# Altium PCB PI_CAN_Interface_v3.PcbDoc (continued)
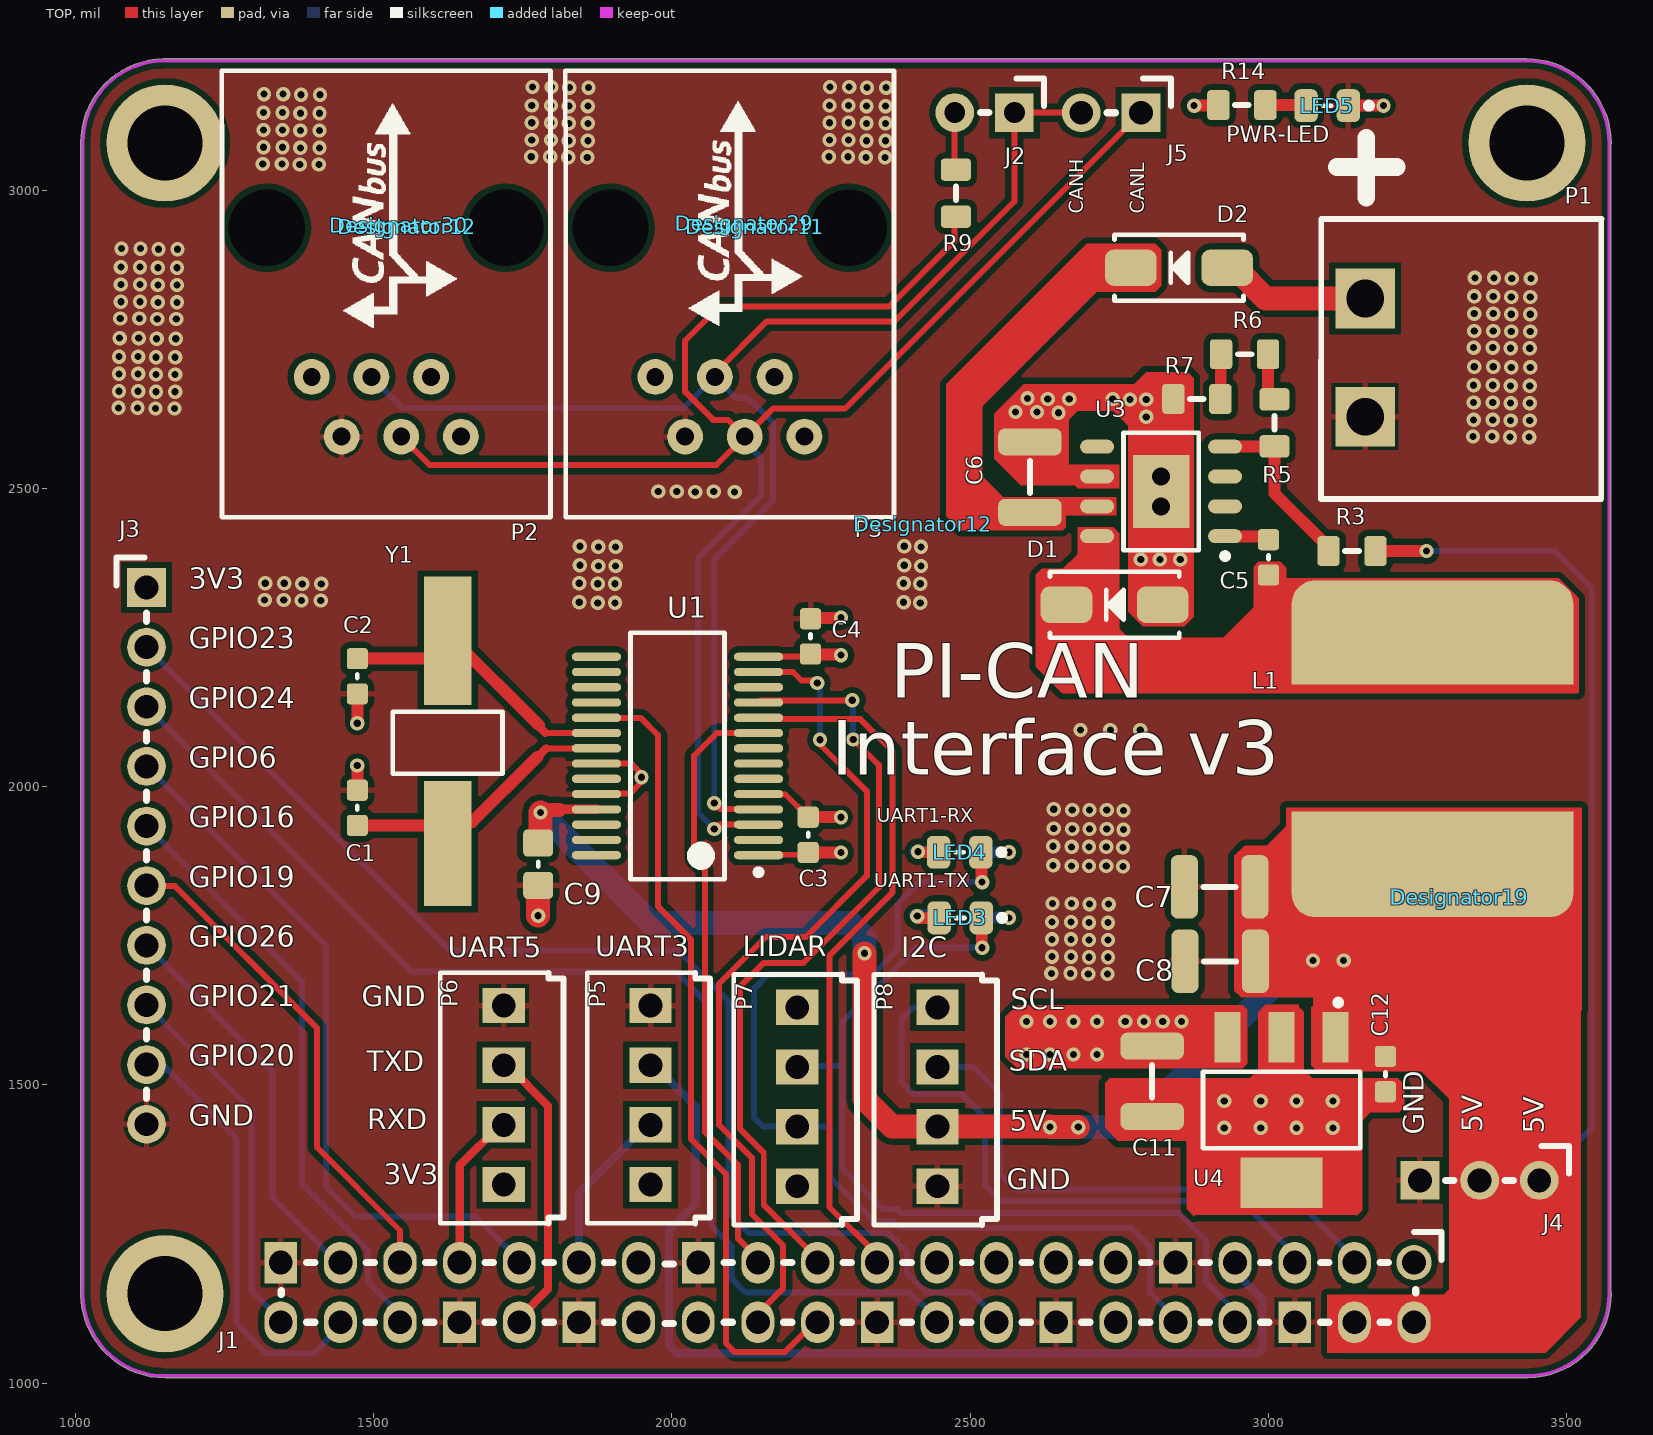
[diagram p0: TOP view]
## Footprints (in the part's own frame and the unit in brackets; to place one, negate y for a bottom-side part, rotate by r counter-clockwise, add the part's x,y. Pads: shape width x height; smd on the part's side, far side on the other; paste and mask are expansions set on the pad)
CANbus_LOGO_bottom_big [mil]
CANbus_LOGO_top [mil]
  silkscreen extent -172,-97 204,92
CER_0603 [mm]
  rrect30% 0.9x0.9 smd: 1(0,0.75) 2(0,-0.75)
  silkscreen extent 0,-0.08 0,0.08, body extent -0.4,-0.8 0.4,0.8, height 0.79
CER_0805 [mm]
  rrect30% 1.27x1.15 smd: 1(0,0.9) 2(0,-0.9)
  silkscreen extent 0,-0.1 0,0.1, body extent -0.62,-1 0.63,1, height 0.6
CER_1210 [mm]
  rrect50% 2.7x1.15 smd: 1(0.003,1.474) 2(0.003,-1.526)
  silkscreen extent 0,-0.71 0,0.66, body extent -1.25,-1.6 1.25,1.6, height 1
DO214AC [mm] "Diode,Molded Body;5.105mm L X 2.665mm W X 2.29mm H"
  rrect50% 2.2x1.55 smd: 1(-2.05,0) 2(2.05,0)
  silkscreen extent -2.75,-1.4 2.75,1.4, body extent -2.75,-1.4 2.75,1.4, height 2.6
HM1X2 [mil] "Single row pin header 1x2, 2.54mm"
  rect 65x65 hole 35: 1(-50,0)
  round 65 hole 35: 2(50,0)
  silkscreen extent -100,-57 7,0, body extent -100,-57 100,57, height 335
HM1x2 [mil] "Single row pin header 1x2, 2.54mm"
  rect 65x65 hole 40: 1(-50,0)
  round 65 hole 40: 2(50,0)
  silkscreen extent -100,-57 7,0, body extent -100,-57 100,57, height 335
HM1X3 [mil] "Contact Mating Length-6.00mm"
  round 65 hole 40: 1(-100,0) 2(0,0)
  rect 65x65 hole 40: 3(100,0)
  silkscreen extent -150,-57 57,0, body extent -150,-57 150,57, height 335
HM1X10 [mil]
  rect 65x65 hole 40: 1(-450,0)
  round 65 hole 40: 2(-350,0) 3(-250,0) 4(-150,0) 5(-50,0) 6(50,0) 7(150,0) 8(250,0) 9(350,0) 10(450,0)
  silkscreen extent -500,-50 407,0, body extent -500,-50 500,50, height 336
HM2X20 [mil] "Double row pin header 2x20, 2.54mm"
  round 59.06 hole 40: 1(-50,950)
  oval 70x55 hole 40: 2(50,950) 3(-50,850) 4(50,850) 5(-50,750) 7(-50,650) 8(50,650) 10(50,550) 11(-50,450) 12(50,450) 13(-50,350) 15(-50,250) 16(50,250) 17(-50,150) 18(50,150) 19(-50,50) 21(-50,-50) 22(50,-50) 23(-50,-150) 24(50,-150) 26(50,-250) 27(-50,-350) 28(50,-350) 29(-50,-450) 31(-50,-550) 32(50,-550) 33(-50,-650) 35(-50,-750) 36(50,-750) 37(-50,-850) 38(50,-850) 40(50,-950)
  rect 70x55 hole 40: 6(50,750) 9(-50,550) 14(50,350) 20(50,50) 25(-50,-250) 30(50,-450) 34(50,-650) 39(-50,-950)
  silkscreen extent -101,-949 52,996, body extent -99,-1007 97,1005, height 84
HSOP-8 [mm] "SOIC, 8-Leads, Body 4.90x3.90mm, Pitch 1.27mm, Thermal Pad 3.10x2.40mm, IPC Medium Density"
  oval 1.45x0.6 smd: 1(-2.725,1.905) 2(-2.725,0.635) 3(-2.725,-0.635) 4(-2.725,-1.905) 5(2.725,-1.905) 6(2.725,-0.635) 7(2.725,0.635) 8(2.725,1.905)
  rect 2.4x3.1 all layers, no hole: 9(0,0)
  silkscreen extent -2.85,-2.5 1.6,2.88, body extent -3.02,-2.36 3.01,2.34, height 1.7
INDUCTOR_SS1260-103MLD [mil]
  rect 75x472.44 smd: 1(144,15) 2(-144,15)
  rrect50% 157.48x472.44 smd: 1(202,15) 2(-205,15)
  body extent -247,-231 245,261, height 315
LED_GREEN_0805 [mm] "Diode GREEN;2.00mm L X 1.25mm W X 1.20mm H"
  rrect50% 1x1.4 smd: 1(-0.9,0) 2(0.9,0)
  silkscreen extent -1.91,-0.13 0.18,0.13, body extent -1.01,-0.62 1.01,0.63, height 1.1
LED_RED_0805 [mm] "Diode 2.00mm L X 1.25mm W X 1.20mm H"
  rrect50% 1x1.4 smd: 1(-0.9,0) 2(0.9,0)
  silkscreen extent -1.91,-0.13 0.18,0.13, body extent -1.05,-0.67 1.05,0.68, height 0.9
MEP_LOGO_BIG [mil]
OSCILATOR [mil]
  rect 210x80 smd: 1(170,-2)
  rect 215x80 smd: 2(-170,-2)
  silkscreen extent -51,-94 53,90, body extent -251,-95 253,95, height 169
PWR_CON [mm]
  rect 2.54x2.54 hole 1.6: 1(0,0) 2(0,5.029)
  silkscreen extent -1.88,-3.51 10.06,8.42, body extent -2.01,-3.59 10,8.57, height 8.73
RESC2013X38N-0805-NOOVERLAY [mm] "Resistor,Chip;2.03mm L X 1.27mm W X 0.6mm H"
  rrect30% 1.27x0.95 smd: 1(0,1) 2(0,-1)
  silkscreen extent 0,-0.29 0,0.29, body extent -0.62,-1 0.63,1, height 0.5
RJ11-6N-B [mm] "RJ11 MODULAR JACK 6 POSITION, 1 PORT"
  round 1.524 hole 0.76: 1(7.19,3.76) 2(4.65,2.49) 3(7.19,1.22) 4(4.65,-0.05) 5(7.19,-1.32) 6(4.65,-2.59)
  round 0 hole 3.25: ""(-1.7,5.66) ""(-1.7,-4.5)
  silkscreen extent -8.38,-6.42 10.63,7.58, body extent -8.04,-5.95 10.16,7.35, height 11.5
RPI_PWD_bottom_big [mil]
"SILK - RECYCLE maxi" [mil]
  silkscreen extent -2,8 252,350
"Silk - ROHS" [mil]
  silkscreen extent -115,-133 169,116
SOT223 [mm] "SOT-223/SC-73; 4 Leads; Body 6.7 x 7.3 mm, inc. leads (LxW max)"
  rect 1.1x2.15 smd: 1(-2.3,-3.1) 2(0,-3.1) 3(2.3,-3.1)
  rect 3.5x2.15 smd: 4(0,3.1)
  silkscreen extent -3.35,-4.7 3.35,1.63, body extent -3.25,-3.6 3.25,3.4, height 1.7
SSOP-28 [mm]
  oval 2.1x0.35 smd: 1(-4.586,3.517) 2(-4.586,2.867) 3(-4.586,2.217) 4(-4.586,1.567) 5(-4.586,0.917) 6(-4.586,0.267) 7(-4.586,-0.383) 8(-4.586,-1.033) 9(-4.586,-1.683) 10(-4.586,-2.333) 11(-4.586,-2.983) 12(-4.586,-3.633) 13(-4.586,-4.283) 14(-4.586,-4.933) 15(2.314,-4.933) 16(2.314,-4.283) 17(2.314,-3.633) 18(2.314,-2.983) 19(2.314,-2.333) 20(2.314,-1.683) 21(2.314,-1.033) 22(2.314,-0.383) 23(2.314,0.267) 24(2.314,0.917) 25(2.314,1.567) 26(2.314,2.217) 27(2.314,2.867) 28(2.314,3.517)
  silkscreen extent -4.71,-5.96 0.86,4.54, body extent -4.97,-5.85 2.79,4.48, height 2.15
TANT_1210 [mm]
  rrect50% 2.7x1.15 smd: 1(0.003,1.474) 2(0.003,-1.526)
  silkscreen extent 0,-0.71 0,0.66, body extent -1.4,-1.83 1.4,1.83, height 1.92
"TE CONNECTIVITY_4PIN_MALE" [mm] "BLUE_4PIN_CONECTOR"
  rect 1.5x1.8 hole 1.016: 1(0,0) 2(2.54,0) 3(5.08,0) 4(7.62,0)
  silkscreen extent -1.65,-2.54 9.02,2.7, body extent -1.27,-2.5 8.89,2.5, height 11.43

## Part data
C1 C2: library part 00002200, "CAP CER 20p 0805", Capacitance=6pF
C3 C4 C5 C12: library part 06032105, "CAP CER 100n 10V X5R 10% 0603"
  C3 C4 C12: Capacitance=100n
  C5: Capacitance=0.01uF
C6: library part 00002225, "CAP CER 2.2u X7R 100V 20% 1210", Capacitance=10uF
C7 C8: library part 00002108, "CAP CER 100u X5R 6.3V 10% 1210", Capacitance=100uF
C9: library part 00002105, "CAP CER 100n 50V X7R 10% 0805", Capacitance=100nF
C11: library part 00001106, "CAP TANT 10u"
D1: library part B360B, "DIODE SCHOTTKY 60V 3A DO214AC", Current  Average Rectified=3A, Manufacturer="Vishay Semiconductor Diodes Division", Package Case="DO-214AC, SMA", Recommended Rating=Silver, Voltage  DC Reverse=60V, Voltage  Forward="550mV @ 3A", Assembly=SMD, Barcode=0100000007488, Category="Discrete Semiconductor Products", Datasheet URL=http://www.vishay.com/docs/88896/b330la.pdf, Diode Type=Schottky, Family=DIODE, Id=62, item_id=1025, Manufacturer Part Number=B340A, Part Type="Discrete Semiconductors", Speed="Fast Recovery =< 500ns, > 200mA (Io)"
D2: "DIODE SCHOTTKY 40V 3A DO214AC", Current  Average Rectified=3A, Manufacturer="Vishay Semiconductor Diodes Division", Package Case="DO-214AC, SMA", Recommended Rating=Silver, Voltage  DC Reverse=40V, Voltage  Forward="550mV @ 3A", Assembly=SMD, Barcode=0100000007488, Category="Discrete Semiconductor Products", Datasheet URL=http://www.vishay.com/docs/88896/b330la.pdf, Diode Type=Schottky, Family=DIODE, Id=62, item_id=1025, Manufacturer Part Number=SK34, Part Type="Discrete Semiconductors", Speed="Fast Recovery =< 500ns, > 200mA (Io)"
J2: library part 00000003
J4: library part HEADER_1x3
J5: library part HEADER_1x2
L1: library part IND_10uH, "FIXED IND 10uH 3A", Current Rating=3A, DC Resistance=45mOhm, Manufacturer=Coilcraft, Manufacturer Part Number=XAL7030-103MEB, Package Case=8x8mm, Tolerance=20%, Assembly=SMD, Category="Inductors, Coils, Chokes", Datasheet URL=http://www.mouser.com/ds/2/597/MSS7348-1076571.pdf, Family=INDUCTOR, Inductance=15uH, Part Type="Inductor, Transf, Filter, Ferrite", Product Page Mouser=https://eu.mouser.com/ProductDetail/Coilcraft/MSS7348-103MEB/?qs=sGAEpiMZZMsg%252by3WlYCkU%252bbmGPYv72aIHZue6QQJkp0%3d
LED3 LED4: library part "LED_GREEN 0805", "LED GREEN CLEAR 0805 SMD", Color=Green, Lens Color=Colorless, Manufacturer=Kingbright, Manufacturer Part Number=APT2012SGC, Package Case="0805 (2012 Metric)", Recommended Rating=Platinum, Voltage Forward=2.2V, Assembly=SMD, Barcode=2911010024338, Category=Optoelectronics, Datasheet URL=http://www.kingbrightusa.com/images/catalog/SPEC/APT2012SGC.pdf, Family=LED, Id=28, item_id=3342, Lens Transparency=Clear, Part Type=Optoelectronics, Wavelength=568nm
LED5: library part LED_RED_0805, "LED RED 0805", Color=Red, Manufacturer="BRIGHT LED ELECTRONICS", Manufacturer Part Number=BL-HUB35A-AV-TRB, Package Case="0805 (2012 Metric)", Recommended Rating=Platinum, Voltage Forward="2.0 V", Assembly=SMD, Barcode=2911010024321, Family=LED, Id=35, item_id=3341, Part Type=Optoelectronics
P1: library part 00000002
P2 P3: library part 00000001, Manufacturer Part Number=RJ-11
P5 P6 P7 P8: "BLUE_4PIN_CONECTOR", Manufacturer="TE CONNECTIVITY / AMP", Manufacturer Part Number 1=281695-3, Order Code 1=1205983, Price 1=Ł0.403, Supplier 1=uk.farnell.com
R3: library part 00005102, "RES SMD 51 kOhm 1/8W 0805", Power="0.125W, 1/8W", Assembly=SMD, Barcode=00005102, Resistance=10k
R5 R6 R7: library part 00009101, "RES SMD 9.1 kOhm 1/8W 0805", Power="0.125W, 1/8W", Assembly=SMD, Barcode=00009101
  R5: Resistance=220R
  R6: Resistance=820R
  R7: Resistance=2.2K
R9: library part 000001200, "RES SMD 120 Ohm 1/8W 0805", Resistance=120R
R12 R13 R14: library part 00001001, "RES SMD 1 kOhm 1/8W 0805", Power="0.125W, 1/8W", Assembly=SMD, Barcode=00009101, Resistance=1k
U4: library part 00000007, "IC REG LINEAR 5V 400MA SOT223-4", Datasheet Link=http://www.ti.com/lit/ds/symlink/lm2937.pdf, Manufacturer Part Number=LM2937-5
Y1: library part XtalSmd, "Crystal Oscillator", LatestRevisionDate=17-Jul-2002, LatestRevisionNote="Re-released for DXP Platform.", Order Code="Q16.000 MHz HC-49SM SMD", PackageReference=R38, Published=8-Jun-2000, Publisher="Altium Limited", Supplier=Comet.rs

## Free pads (board coordinates)
  round 196.85 hole 125.98: ""(1150,1150) ""(1150,3079.13) ""(3433.46,3079.13)

## Via types
v1: diameter 24, hole 12, TOP to BOT, tented both sides, 270 vias
v2: diameter 23.62, hole 11.81, TOP to BOT, 8 vias
v3: diameter 50, hole 30, TOP to BOT, 2 vias

## Nets (pads, with @x,y where several pads share a name; then routed paths per layer and width w, separated by ;. In a path a pad name is that pad's centre, name@x,y a point inside that pad or via, vN(x,y) a via of type N, cw(c..) or ccw(c..) an arc to the next point about the centre after c; other vN are vias at no path point)
CANH: J2.1 J5.2 P2.4 P3.4 U1.4 | length 2396.2
  TOP w10: v1(2070.87,1972.44) 2080.67,1962.64 2144.4,1962.64 U1.4 ; P3.4 2072.03,2693.03 2159,2780 2373,2780 2574,2981 J2.1 2574.08,3129.92 J5.2
  BOT w10: P2.4 1547.96,2635 2020.1,2635 P3.4 2107.29,2651.67 2127.85,2651.67 2169.61,2609.92 2169.61,2479.9 2070.87,2381.16 v1(2070.87,1972.44) ; J2.1 J2.1@2574.08,3129.92 ; J5.2@2684.78,3128.48 J5.2
CANL: J5.1 P2.3 P3.3 R9.1 U1.3 | length 3098.9
  TOP w10: P2.3 1593.59,2539.37 2074.47,2539.37 P3.3 ; v1(2070.87,1929.13) 2072.24,1929.13 2079.43,1936.32 U1.3 ; R9.1@2474,2955.63 2474,2915 2364,2805 2079,2805 2022,2748 2022,2662 2069,2615 2093.96,2615 P3.3 ; J5.1 2290.16,2633.86 2168.96,2633.86 P3.3
  BOT w10: v1(2070.87,1929.13) 2043.31,1956.69 2043.31,2381.89 2149.61,2488.19 2149.61,2550.86 2122.03,2578.44 P3.3 P3.3@2131.6,2596.5
GND: C1.1 C2.1 C3.1 C4.1 C6.1 C7.1 C8.1 C9.1 C11.2 C12.1 D1.2 J1.6 J1.9 J1.14 J1.20 J1.25 J1.30 J1.34 J1.39 J3.10 J4.3 LED5.1 P1.1 P2.5 P3.5 P5.4 P6.4 P7.4 P8.1 R7.1 U1.5 U1.22 U1.24 U3.6 U3.9 U4.2 U4.4 | length 587.1
  TOP w10: U1.24 1874.2,1988.23 1929.17,1988.23 1948.82,2007.87 1948.82,2021.7 1931.84,2038.68 U1.22 ; U1.5 2145.85,1986.78 2190.38,1986.78 C3.1
  TOP w20: C1.1 v1(1472.44,2035.43) ; v1(1472.44,2106.3) C2.1 ; C3.1 v1(2283.46,1948.82) ; C4.1 2233.49,2282.7 2282.7,2282.7 v1(2283.46,2283.46) ; LED5.1 v1(3192.91,3141.73)
  TOP w40: v1(1775.59,1783.46) C9.1
  other v1: 2926,1428 2987,1428 3047,1428 3108,1428 2926,1473 2987,1473 3047,1473 3108,1473 2698,1686 2730,1686 2636,1687 2668,1687 2699,1714 2731,1714 2637,1715 2669,1715 2699,1743 2731,1743 2637,1744 2669,1744 2699,1772 2731,1772 2637,1773 2669,1773 2700,1803 2732,1803 2638,1804 2670,1804 2756,1866 2670,1867 2699,1867 2728,1867 2639,1868 2756,1898 2670,1899 2699,1899 2728,1899 2639,1900 2757,1928 2671,1929 2700,1929 2729,1929 2640,1930 2757,1960 2671,1961 2700,1961 2729,1961 2640,1962 1948.82,2015.75 2685,2095 2735,2095 2785,2095 1875.51,2308.08 1904.51,2308.08 2416.32,2308.08 1844.51,2309.08 2388.32,2309.08 1379,2312 1411,2312 1317,2313 1349,2313 1380,2340 1412,2340 1875.51,2340.08 1904.51,2340.08 2416.32,2340.08 1318,2341 1350,2341 1844.51,2341.08 2388.32,2341.08 1876.51,2370.08 1905.51,2370.08 2417.32,2370.08 1845.51,2371.08 2389.32,2371.08 2786,2381 2818,2381 2852,2381 1876.51,2402.08 1905.51,2402.08 2417.32,2402.08 1845.51,2403.08 2389.32,2403.08 2039,2494 2105,2494 1977,2495 2008,2495 2070,2495 3405,2586 3437,2586 3343,2587 3375,2587 3406,2614 3438,2614 3344,2615 3376,2615 2795,2620 2648,2627 2576,2628 2612,2628 1134,2634 1166,2634 1072,2635 1104,2635 3406,2643 3438,2643 3344,2644 3376,2644 2768,2649 2795,2649 2630,2650 2666,2650 2739,2650 2596,2651 1135,2662 1167,2662 1073,2663 1105,2663 3406,2672 3438,2672 3344,2673 3376,2673 1135,2691 1167,2691 1073,2692 1105,2692 3407,2703 3439,2703 3345,2704 3377,2704 1135,2720 1167,2720 1073,2721 1105,2721 3406,2735 3438,2735 3344,2736 3376,2736 1136,2751 1168,2751 1074,2752 1106,2752 3407,2763 3439,2763 3345,2764 3377,2764 1137,2784 1169,2784 1075,2785 1107,2785 3407,2792 3439,2792 3345,2793 3377,2793 1138,2812 1170,2812 1076,2813 1108,2813 3407,2821 3439,2821 3345,2822 3377,2822 1138,2841 1170,2841 1076,2842 1108,2842 3408,2852 3440,2852 3346,2853 3378,2853 1138,2870 1170,2870 1076,2871 1108,2871 1139,2901 1171,2901 1077,2902 1109,2902 1376,3043 1408,3043 1314,3044 1346,3044 1826,3055 1858,3055 2325,3055 2357,3055 1764,3056 1796,3056 2263,3056 2295,3056 1377,3071 1409,3071 1315,3072 1347,3072 1827,3083 1859,3083 2326,3083 2358,3083 1765,3084 1797,3084 2264,3084 2296,3084 1377,3100 1409,3100 1315,3101 1347,3101 1827,3112 1859,3112 2326,3112 2358,3112 1765,3113 1797,3113 2264,3113 2296,3113 1377,3129 1409,3129 1315,3130 1347,3130 1827,3141 1859,3141 2326,3141 2358,3141 1765,3142 1797,3142 2264,3142 2296,3142 1378,3160 1410,3160 1316,3161 1348,3161 1828,3172 1860,3172 2327,3172 2359,3172 1766,3173 1798,3173 2265,3173 2297,3173
  other v3: 2820,2470 2820,2520
GPIO_06: J1.31 J3.4 | length 1208.7
  BOT w10: J3.4 1420,1733 1420,1328.83 1469.41,1279.41 1670.59,1279.41 1744,1206 J1.31
GPIO_16: J1.36 J3.5 | length 1008
  BOT w10: J3.5 1380,1673 1380,1333.6 1490,1223.6 1490,1170 1544,1116 J1.36
GPIO_19: J1.35 J3.6 | length 835.6
  TOP w10: J3.6 1119.5,1833.5 1166.5,1833.5 1405,1595 1405,1395 1544,1256 J1.35
GPIO_20: J1.38 J3.9 | length 733
  BOT w10: J3.9 1146,1534 1270,1410 1270,1100 1320,1050 1399.5,1050 1444,1094.5 J1.38
GPIO_21: J1.40 J3.8 | length 634.4
  BOT w10: J3.8@1109.83,1634 J3.8 1295,1458 1295,1155 1344,1106 J1.40
GPIO_23: J1.16 J3.2 | length 2126.9
  BOT w10: J3.2 1628,1725 2010,1725 2095,1640 2095,1285 2128,1252 2361.6,1252 2394,1219.6 2394,1184.4 2426.4,1152 2501.5,1152 2544,1109.5 J1.16
GPIO_24: J1.18 J3.3 | length 2005.6
  BOT w10: J3.3@1121,2134 J3.3 1563,1690 2006.17,1690 2065,1631.17 2065,1265 2100,1230 2100,1175 2123,1152 2398.11,1152 2418.11,1132 2421.5,1132 2444,1109.5 J1.18
GPIO_26: J1.37 J3.7 | length 676.4
  BOT w10: J3.7 1330,1523 1330,1311.32 1439.32,1202 J1.37 J1.37@1444,1209
I2C_SCL: J1.5 P8.4 | length 1033
  BOT w10: P8.4 2405,1630 2385,1610 2385,1503.83 2404.41,1484.41 2485.59,1484.41 2525,1445 2525,1331.72 2551.72,1305 2955,1305 3044,1216 J1.5
I2C_SDA: J1.3 P8.3 | length 918.3
  BOT w10: P8.3 2505,1530 2550,1485 2550,1350 2575,1325 3028.5,1325 3144,1209.5 J1.3
I\N\T\: J1.22 U1.19 | length 1370.5
  TOP w10: U1.19 1874.11,2114.81 1948.18,2114.81 1976.38,2086.61 1976.38,1799.21 2031.5,1744.09 2031.5,1409.45 2090.55,1350.39 2090.55,1066.93 2105.48,1052 2189.32,1052 2239.32,1102 J1.22 J1.22@2244,1110.33
NetC5_1: C5.1 D1.1 L1.1 U3.8
NetC5_2: C5.2 U3.1 | length 75
  TOP w20: U3.1 2927.98,2419.31 2995.22,2419.31 C5.2@3000,2414.53
NetC6_2: C6.2 D2.1 U3.7
NetD2_2: D2.2 P1.2 | length 252.7
  TOP w40: D2.2 2943.5,2870 2995.07,2818.43 P1.2
NetJ2_2: J2.2 R9.2 | length 95.6
  TOP w10: R9.2@2474,3034.37 J2.2
NetLED3_2: LED3.2 R12.1 | length 63.2
  TOP w20: v1@2412.31,1780 LED3.2
  BOT w20: v1@2407.37,1785 R12.1@2435,1785
  other v1: 2411.31,1783
NetLED4_2: LED4.2 R13.1 | length 64.4
  TOP w20: v1(2412.31,1891) 2411.31,1890 LED4.2
  BOT w20: v1@2407.31,1891 2431.94,1891 R13.1@2433.94,1889
NetLED5_2: LED5.2 R14.1 | length 68.6
  TOP w20: R14.1 3061.99,3142.73 LED5.2
NetR3_1: R3.1 R5.2 U3.4 | length 296.1
  TOP w20: U3.4 2927.6,2570.32 3009.68,2570.32 R5.2 3010,2491.93 3100.63,2401.3 R3.1
NetR5_1: R5.1 R6.2 | length 81.2
  TOP w20: R6.2 2999.37,2658.07 3008.07,2649.37 R5.1
NetR6_1: R6.1 R7.2 | length 75.5
  TOP w20: R7.2 2920,2650.63 2920,2724.37 R6.1
OSC1: C1.2 U1.21 Y1.1 | length 488.4
  TOP w10: Y1.1 Y1.1@1629.21,1904.8 ; 1790,2064 1790.28,2064.28 U1.21
  TOP w13.78: 1774.2,2049.8 1788.41,2064 1790,2064
  TOP w20: C1.2 1593.98,1935.04 Y1.1@1623.98,1905.04 ; Y1.1 Y1.1@1623.98,1905.04 ; 1774.2,2049.8 1665.41,1941 1653.98,1941 1623.98,1911 Y1.1@1623.98,1905.04
OSC2: C2.2 U1.20 Y1.2 | length 479.3
  TOP w10: Y1.2 Y1.2@1624.69,2244.09 ; 1788.09,2089.87 U1.20
  TOP w13.78: 1776,2101.95 1788.09,2089.87
  TOP w20: C2.2 1593.98,2214.57 Y1.2@1623.98,2244.57 ; Y1.2 1635.2,2244.8 1777,2103
RX3: J1.29 P5.2 | length 284.2
  BOT w13.78: J1.29 1844,1318.91 1958.09,1433 P5.2
RX5: J1.33 P6.2 | length 265.1
  TOP w13.78: J1.33 1644,1364.91 1712.09,1433 P6.2
RXD: J1.10 LED4.1 P7.2 | length 1712.4
  TOP w20: LED4.1 2519.23,1888.51 2519.23,1840.77 v1(2520,1840)
  BOT w10: v1(2520,1840) 2414.8,1840 2377.95,1803.15 2377.95,1726.24 2336.76,1685.04 2161.42,1685.04 2137.8,1661.42 2137.8,1444.88 2152.68,1430 P7.2 2258.98,1430 2265,1423.98 2265,1345 2338,1272 2369.89,1272 2381.89,1260 2770,1260 2801.5,1228.5 2801.5,1152 2844,1109.5 J1.10
SPI_DI: J1.19 U1.10 | length 1182.9
  TOP w10: U1.10 2146.97,2113.61 2214.34,2113.61 2214.72,2113.23 2237.09,2113.23 2237.47,2113.61 2314.33,2113.61 2314.71,2113.23 2315.9,2113.23 2370.08,2059.06 2370.08,1822.83 2263.78,1716.54 2263.78,1295.28 2344,1215.06 J1.19
SPI_DO: J1.21 U1.11 | length 1309.4
  TOP w10: U1.11 2148.83,2144.75 v1(2302.23,2144.75) ; J1.21 2244,1208.76 2153.86,1298.9 2153.86,1386.24 2114.17,1425.92 2114.17,1665.35 2153.54,1704.72 2220.47,1704.72 2347,1831.25 2347,2036 v1(2304,2079)
  BOT w10: v1(2302.23,2144.75) 2303.11,2143.86 2303.11,2079.89 v1(2304,2079)
SPI_nCS: J1.24 U1.13 | length 1416.5
  TOP w10: J1.24 2144,1116.44 2186.5,1158.94 2186.5,1230.82 2133.86,1283.46 2133.86,1377.95 2078.74,1433.07 2078.74,1669.29 2157.48,1748.03 2224.41,1748.03 2326.77,1850.39 2326.77,1992.13 2250.71,2068.19 2250.71,2076.06 v1(2248.03,2078.74) ; U1.13 2202.92,2192.23 2217.09,2178.05 2239.27,2178.05 v1(2243.65,2173.67)
  BOT w10: v1(2243.65,2173.67) 2248.03,2169.29 v1(2248.03,2078.74)
SPI_SCK: J1.23 U1.9 | length 1018.1
  TOP w10: J1.23 2144,1209.5 2110.55,1242.95 2110.55,1365.83 2055.12,1421.26 2055.12,1860.24 2037,1878.35 2037,2052 2074.87,2089.87 U1.9
TX3: J1.7 P5.3 | length 1690.2
  BOT w13.78: P5.3 1969.91,1533 2040,1462.91 2040,1301 1995,1256 1995,1063.07 2008.07,1050 2981.93,1050 2990,1058.07 2990,1140 2944,1186 J1.7
TX5: J1.32 P6.3 | length 485
  TOP w13.78: P6.3 1723.91,1533 1792,1464.91 1792,1157.5 1744,1109.5 J1.32
TXD: J1.8 LED3.1 P7.3 | length 1490.1
  TOP w20: LED3.1 2519.37,1779.37 2519.37,1730.63 v1(2520,1730)
  BOT w10: P7.3@2220,1520 P7.3 2211.5,1531.5 2285,1531.5 ; v1(2520,1730) 2410,1730 2285,1605 2285,1531.5 ; J1.8 2944,1121 2895,1170 2895,1240 2850,1285 2385.17,1285 2378.17,1292 2353,1292 2285,1360 2285,1531.5
VCC-3V3: C3.2 C4.2 C11.1 J3.1 P2.2 P3.2 P5.1 P6.1 P7.1 R12.2 R13.2 R14.2 U1.1 U1.14 U4.3 | length 418
  TOP w10: U1.1 2145.85,1885.86 2220.45,1885.86 C3.2@2224.11,1889.53 ; U1.14 2145.85,2218.54 2228.38,2218.54 C4.2
  TOP w20: C3.2@2224.11,1889.53 2224.35,1889.76 v1(2283.46,1889.76) ; C4.2 2233.49,2221.24 2282.7,2221.24 v1(2283.46,2220.47) ; v1(2875.43,3141.73) 2875.93,3142.23 2915.56,3142.23 R14.2
  BOT w20: R13.2 v1(2565,1890) ; R12.2 2522.97,1780.77 2564.23,1780.77 v1(2565,1780)
  other v1: 2759.84,1606.3 2791.34,1606.3 2822.83,1606.3 2854.33,1606.3
  other v2: 2594.49,1551.18 2633.86,1551.18 2673.23,1551.18 2712.6,1551.18 2594.49,1606.3 2633.86,1606.3 2673.23,1606.3 2712.6,1606.3
VCC-5V: C7.2 C8.2 C9.2 C12.2 J1.2 J1.4 J4.1 J4.2 L1.2 P8.2 R3.2 U1.25 U4.1 | length 3452.7
  TOP w10: 1811.02,1960.63 1812.31,1961.91
  TOP w15.75: 1812.31,1961.91 U1.25
  TOP w20: R3.2 v1(3265,2395)
  TOP w23.62: v1@1787.4,1960.63 1811.02,1960.63
  TOP w40: C9.2 1776.89,1905.51 1779.53,1908.15 v1(1779.53,1956.69) ; v1(2322.83,1720.62) 2322.83,1476.38 2369.21,1430 P8.2 v1@2633.86,1430 ; v1(2633.86,1429.13) v1(2681.1,1429.13)
  BOT w10: v1(3265,2395) 3480,2395 3542,2333 3542,1428 J4.1
  BOT w40: v1(1779.53,1956.69) 1964.57,1771.65 2299.4,1771.65 2322.83,1748.22 v1(2322.83,1720.62) ; v1(2633.86,1429.13) v1(2681.1,1429.13) 2771.65,1429.13 3051.18,1708.66 v1(3074.8,1708.66) v1(3125.98,1708.66) v1@3133.86,1708.66
pads on no net: J1.1 J1.11 J1.12 J1.13 J1.15 J1.17 J1.26 J1.27 J1.28 P2. P2.1 P2.6 P3. P3.1 P3.6 U1.2 U1.6 U1.7 U1.8 U1.12 U1.15 U1.16 U1.17 U1.18 U1.23 U1.26 U1.27 U1.28 U3.2 U3.3 U3.5

## Polygon pours and split planes (outlines as drawn)
GND on BOT "BOT-GND" (solid, pour order 68): 1000,3220 1020,3200 1020,1000 3580,1000 3580,3220
GND on TOP "TOP-GND" (solid, pour order 66): 1000,3220 1020,3200 1020,1000 3580,1000 3580,3220
VCC-3V3 on PWR (split plane): 3442.96,3199.77 3452.39,3198.65 3461.71,3196.8 3470.86,3194.22 3479.77,3190.93 3488.4,3186.95 3496.69,3182.31 3504.59,3177.03 3512.05,3171.15 3519.03,3164.7 3525.48,3157.72 3531.36,3150.26 3536.64,3142.36 3541.28,3134.07 3545.26,3125.44 3548.55,3116.53 3551.13,3107.38 3552.98,3098.06 3554.1,3088.63 3554.35,3082.32 3552.98,3079.02 3554.08,3079.02 3553.92,3077.39 3553.92,1151.74 3554.08,1150.12 3552.98,1150.12 3554.35,1146.81 3554.1,1140.51 3552.98,1131.07 3551.13,1121.75 3548.55,1112.61 3545.26,1103.69 3541.28,1095.06 3536.64,1086.77 3531.36,1078.87 3525.48,1071.41 3519.03,1064.43 3512.05,1057.98 3504.59,1052.1 3496.69,1046.82 3488.4,1042.18 3479.77,1038.2 3470.86,1034.91 3461.71,1032.34 3452.39,1030.48 3442.96,1029.36 3438.66,1029.2 3435.5,1030.51 3435.22,1030.4 3435.24,1029.21 3434.43,1029.29 3433.33,1029.18 3433.33,1030.49 3429.92,1029.08 1150.14,1029.08 1150.13,1029.08 1149.78,1029.05 1149.42,1029.07 1149.1,1029.03 1140.51,1029.36 1131.07,1030.48 1121.75,1032.34 1112.61,1034.91 1103.69,1038.2 1095.06,1042.18 1086.77,1046.82 1078.87,1052.1 1071.41,1057.98 1064.43,1064.43 1057.98,1071.41 1052.1,1078.87 1046.82,1086.77 1042.18,1095.06 1038.2,1103.69 1034.91,1112.61 1032.34,1121.75 1030.48,1131.07 1029.36,1140.51 1029.2,1144.8 1030.51,1147.97 1030.4,1148.24 1029.21,1148.22 1029.29,1149.03 1029.18,1150.13 1030.49,1150.13 1029.08,1153.54 1029.08,3080 1029.02,3080.65 1029.36,3089.43 1030.47,3098.79 1032.31,3108.05 1034.87,3117.13 1038.14,3125.98 1042.09,3134.54 1046.7,3142.77 1051.94,3150.62 1057.78,3158.03 1064.18,3164.95 1071.11,3171.36 1078.52,3177.2 1086.36,3182.44 1094.59,3187.05 1103.16,3191 1112.01,3194.26 1121.09,3196.82 1130.34,3198.66 1139.71,3199.77 1143.95,3199.94 1147.12,3198.63 1147.39,3198.74 1147.37,3199.89 1148.29,3199.8 1149.13,3199.88 1149.13,3198.51 1152.54,3199.92 3432.44,3199.92 3433.35,3200.01 3433.35,3198.65 3436.65,3200.02
GND on GND (split plane): 3442.96,3199.77 3452.39,3198.65 3461.71,3196.8 3470.86,3194.22 3479.77,3190.93 3488.4,3186.95 3496.69,3182.31 3504.59,3177.03 3512.05,3171.15 3519.03,3164.7 3525.48,3157.72 3531.36,3150.26 3536.64,3142.36 3541.28,3134.07 3545.26,3125.44 3548.55,3116.53 3551.13,3107.38 3552.98,3098.06 3554.1,3088.63 3554.35,3082.32 3552.98,3079.02 3554.08,3079.02 3553.92,3077.39 3553.92,1151.74 3554.08,1150.12 3552.98,1150.12 3554.35,1146.81 3554.1,1140.51 3552.98,1131.07 3551.13,1121.75 3548.55,1112.61 3545.26,1103.69 3541.28,1095.06 3536.64,1086.77 3531.36,1078.87 3525.48,1071.41 3519.03,1064.43 3512.05,1057.98 3504.59,1052.1 3496.69,1046.82 3488.4,1042.18 3479.77,1038.2 3470.86,1034.91 3461.71,1032.34 3452.39,1030.48 3442.96,1029.36 3438.66,1029.2 3435.5,1030.51 3435.22,1030.4 3435.24,1029.21 3434.43,1029.29 3433.33,1029.18 3433.33,1030.49 3429.92,1029.08 1150.14,1029.08 1150.13,1029.08 1149.78,1029.05 1149.42,1029.07 1149.1,1029.03 1140.51,1029.36 1131.07,1030.48 1121.75,1032.34 1112.61,1034.91 1103.69,1038.2 1095.06,1042.18 1086.77,1046.82 1078.87,1052.1 1071.41,1057.98 1064.43,1064.43 1057.98,1071.41 1052.1,1078.87 1046.82,1086.77 1042.18,1095.06 1038.2,1103.69 1034.91,1112.61 1032.34,1121.75 1030.48,1131.07 1029.36,1140.51 1029.2,1144.8 1030.51,1147.97 1030.4,1148.24 1029.21,1148.22 1029.29,1149.03 1029.18,1150.13 1030.49,1150.13 1029.08,1153.54 1029.08,3080 1029.02,3080.65 1029.36,3089.43 1030.47,3098.79 1032.31,3108.05 1034.87,3117.13 1038.14,3125.98 1042.09,3134.54 1046.7,3142.77 1051.94,3150.62 1057.78,3158.03 1064.18,3164.95 1071.11,3171.36 1078.52,3177.2 1086.36,3182.44 1094.59,3187.05 1103.16,3191 1112.01,3194.26 1121.09,3196.82 1130.34,3198.66 1139.71,3199.77 1143.95,3199.94 1147.12,3198.63 1147.39,3198.74 1147.37,3199.89 1148.29,3199.8 1149.13,3199.88 1149.13,3198.51 1152.54,3199.92 3432.44,3199.92 3433.35,3200.01 3433.35,3198.65 3436.65,3200.02

## Keep-outs
Keep-Out Layer:
  lines w6: 1012.01,1147.97 ccw(c1150,1150) 1150.13,1012 3433.33,1012 ; 1012,1150.13 1012,3080 ; 1012,3079.87 cw(c1149.13,3080) 1147.12,3217.12 ; 1149.13,3217 3433.46,3217 ; 3433.33,3217.13 cw(c3433.46,3079.13) 3571.46,3079 ; 3435.5,1012.01 ccw(c3433.47,1150) 3571.46,1150.13 ; 3571,1149.67 3571,3079.46

## Other copper
TOP:
  region net VCC-5V: 3216.54,1523 3256.53,1523 3303.15,1476.38 3303.15,1157.48 3293.59,1147.93 3098.43,1147.93 3098.43,1051.18 3464.57,1051.18 3523.62,1110.24 3523.62,1625 3223.43,1625 3216.54,1618.11
  region net VCC-5V: 3030,1934 2997,1901 2960,1901 2943,1884 2943,1658 2954,1647 3075,1647 3075,1765 3055,1765 3030,1790
  region net GND: 3059,1511 3073,1511 3059,1525
  region net GND: 2875,1280 2863,1292 2863,1404 2861,1406 2747,1406 2726,1427 2726,1503 2734,1511 2969,1511 2983,1525 2983,1622 2995,1634 3051,1634 3051,1631 3059,1623 3059,1511 3217,1511 3228,1500 3228,1462 3227,1462 3219,1454 3171,1454 3157,1440 3157,1290 3148,1281 3147,1282 2877,1282
  region net VCC-5V: 3030,1965 3030,1790 3055,1765 3075,1765 3075,1633 3217,1633 3225,1625 3525,1625 3525,1965
  region net NetC5_1: 2610,2265 2610,2250 2765,2250 2750,2265
  region net NetC5_1: 2924,2250 2975,2301 2975,2369 2983,2377 3020,2377 3030,2367 3030,2349 3487,2349 3520,2316 3520,2157 2654,2157 2610,2201 2610,2250
  region net NetC5_1: 2680,2435 2680,2390 2655,2365 2620,2365 2610,2355 2610,2265 2750,2265 2750,2425 2740,2435
  region net NetC6_2: 2555,2485 2520,2520 2520,2638 2587.8,2705.8 2712,2830 2810,2830 2820,2840 2820,2900 2810,2910 2695,2910 2460,2675 2460,2485
  region net NetC6_2: 2745,2485 2745,2455 2660,2455 2660,2435 2655,2430 2483.39,2430 2460,2453.39 2460,2485
  region net GND: 2875,2610 2875,2285 2859,2269 2789,2269 2765,2293 2765,2605 2740,2630 2800,2630 2820,2610
  region net GND: 2665,2615 2680,2630 2800,2630 2820,2610 2875,2610 2875,2685 2865,2695 2860,2695 2795,2695 2775,2675 2590,2675 2540,2625 2540,2615
  region net GND: 2540,2550 2585,2505 2675,2505 2680,2500 2750,2500 2750,2540 2665,2540 2665,2615 2540,2615
  region net VCC-5V: 3227,1533 3217,1523 3082,1523 3072,1533 3072,1630 3075,1633 3217,1633 3227,1623
  region net VCC-3V3: 2964.5,1625.98 2964.5,1535.5 2956.56,1527.56 2578.74,1527.56 2559.02,1547.28 2559.02,1614.21 2578.74,1633.93 2956.56,1633.93
BOT:
  region net VCC-5V: 3310,1385 3320,1395 3510,1395 3510,1110 3450,1050 3125,1050 3105,1070 3105,1130 3120,1145 3295,1145 3310,1160 3310,1365

## Silkscreen, mask and mechanical layers (free items; w line width, h text height)
Top Overlay:
  lines w30: 3115,3039 3215,3039 ; 3164,2988 3164,3088
  text "PWR-LED" at 2929.13,3070.87 h47.24
  text "CANH" at 2696.85,2960.63 h39.37 r90
  text "CANL" at 2799.21,2960.63 h39.37 r90
  text "3V3" at 1190,2320 h60
  text "GPIO23" at 1190,2220 h60
  text "GPIO24" at 1190,2120 h60
  text "PI-CAN" at 2366,2118.69 h157.48
  text "GPIO6" at 1190,2020 h60
  text "Interface" at 2267,1990.03 h157.48
  text "v3" at 2864,1990.03 h157.48
  text "UART1-RX" at 2343,1933 h39.37
  text "GPIO16" at 1190,1920 h60
  text "UART1-TX" at 2339,1824 h39.37
  text "GPIO19" at 1190,1820 h60
  text "GPIO26" at 1190,1720 h60
  text "UART3" at 1871,1704 h59.06
  text "LIDAR" at 2119,1704 h59.06
  text "UART5" at 1624,1702 h59.06
  text "I2C" at 2384,1702 h59.06
  text "GPIO21" at 1190,1620 h60
  text "GND" at 1480,1620 h59.06
  text "SCL" at 2568,1615 h59.06
  text "GPIO20" at 1190,1520 h60
  text "SDA" at 2565,1512 h59.06
  text "TXD" at 1487.92,1511 h59.06
  text "5V" at 3370,1421 h59.06 r90
  text "GND" at 1190,1420 h60
  text "5V" at 3473,1418 h59.06 r90
  text "GND" at 3272,1416 h59.06 r90
  text "RXD" at 1489.5,1414 h59.06
  text "5V" at 2566,1411 h59.06
  text "3V3" at 1516.96,1322 h59.06
  text "GND" at 2561,1313 h59.06
Bottom Overlay:
  drawing of 1003 lines, arcs and shapes, not listed